# Altium PCB PCB.PcbDoc (continued)
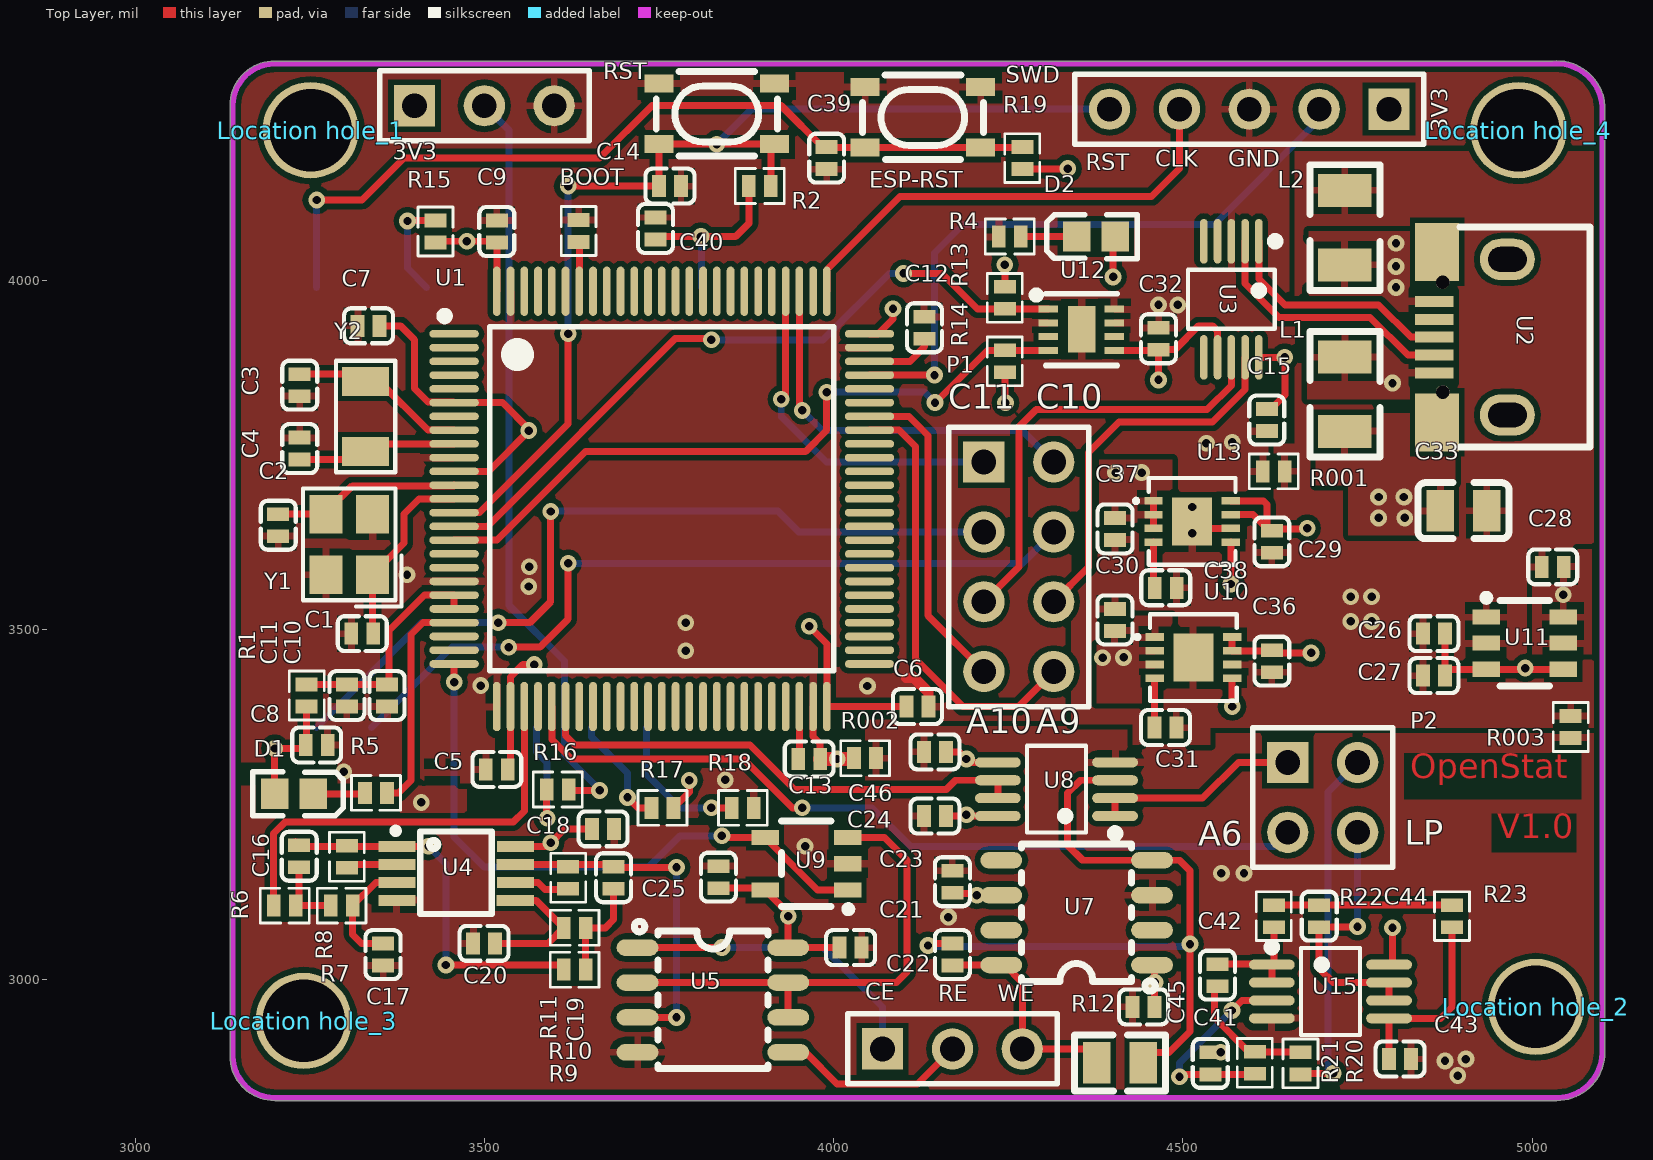
[diagram p0: Top Layer view]
## Footprints (in the part's own frame and the unit in brackets; to place one, negate y for a bottom-side part, rotate by r counter-clockwise, add the part's x,y. Pads: shape width x height; smd on the part's side, far side on the other; paste and mask are expansions set on the pad) (continued)
  silkscreen extent 2.79,-10.02 15.84,4.28, body extent 1.59,-9.97 17.59,6.03, height 1.5
MSOP-10_L3.0-W3.0-P0.50-LS5.0-BL [mm]
  oval 1.62x0.28 smd: 1(-2.292,0.365) 2(-2.292,-0.135) 3(-2.292,-0.635) 4(-2.292,-1.135) 5(-2.292,-1.635) 6(1.928,-1.635) 7(1.928,-1.135) 8(1.928,-0.635) 9(1.928,-0.135) 10(1.928,0.365)
  silkscreen extent -2.44,-2.21 0.89,1.11, body extent -2.77,-2.14 2.26,0.87, height 1.05
RES_0402 [mm]
  rect 0.5x0.8 smd: 1(-0.4,0) 2(0.4,0)
  silkscreen extent -0.89,-0.64 0.89,0.64, body extent -0.73,-0.25 0.73,0.25, height 0.51
RES_0805 [mm]
  rect 1x1.5 smd: 1(-0.85,0) 2(0.85,0)
  silkscreen extent -1.65,-1.02 1.65,1.02, body extent -1.4,-0.62 1.4,0.62, height 0.8
RES_1206 [mm]
  rect 1.2x1.95 smd: 1(-1.35,0) 2(1.35,0)
  silkscreen extent -2.29,-1.27 2.29,1.27, body extent -2.27,-0.8 2.27,0.8, height 1.25
"SMD 3215-2P 32.768K" [mm]
  rect 1.05x1.7 smd: 1(1.211,-0.369) 2(3.761,-0.369)
  silkscreen extent 0.46,-1.45 4.51,0.71, body extent 0.89,-1.12 4.09,0.38, height 0.9
"SMD 3225" [mm]
  rect 1.4x1.2 smd: 1(2.63,-1.153) 2(4.83,-1.153) 3(4.83,0.547) 4(2.63,0.547)
  silkscreen extent 1.47,-2.21 5.76,1.38, body extent 2.13,-1.55 5.33,0.95, height 0.81
SOIC-8 [mil]
  oval 23.62x59.76 smd: 1(70.5,-130.12) 2(120.5,-130.12) 3(170.5,-130.12) 4(220.5,-130.12) 5(220.5,85.63) 6(170.5,85.63) 7(120.5,85.63) 8(70.5,85.63)
  silkscreen extent 33,-135 244,56, body extent 49,-138 241,98, height 67
SOT-23-5 [mm]
  rect 1x0.55 smd: 1(2.532,1.23) 2(2.532,0.28) 3(2.532,-0.67) 4(5.532,-0.67) 5(5.532,1.23)
  silkscreen extent 2.38,-1.27 4.93,2.06, body extent 2.81,-1.22 5.31,1.78, height 1.08
SOT-23-6 [mm]
  rect 1x0.55 smd: 1(1.526,1.077) 2(1.526,0.127) 3(1.526,-0.823) 4(4.326,-0.823) 5(4.326,0.127) 6(4.326,1.077)
  silkscreen extent 1.4,-1.42 3.83,1.9, body extent 1.52,-1.32 4.32,1.58, height 1.45
uMAX-8 [mm]
  rect 1.349x0.4 smd: 1(1.08,1.229) 2(1.078,0.578) 3(1.079,-0.071) 4(1.078,-0.722) 5(5.379,-0.722) 6(5.382,-0.071) 7(5.379,0.578) 8(5.382,1.23)
  silkscreen extent 0.93,-1.22 4.53,1.9, body extent 0.55,-1.22 5.55,1.78, height 0.95
USB [mm]
  rect 0.4x1.4 smd: 1(4.755,2.475) 2(5.405,2.475) 3(6.055,2.475) 4(6.705,2.475) 5(7.355,2.475)
  rect 2.1x1.6 smd: 6(9.155,2.375) 7(2.955,2.375)
  oval 1.5x1.999 hole 0.9 slot 1.4 at 90 deg: 8(3.225,-0.175) 9(8.885,-0.175)
  round 0.5 hole 0.5 unplated: ""(4.055,2.175) ""(8.055,2.175)
  silkscreen extent 2.05,-3.17 10.05,1.54, body extent 1.77,-2.85 10.42,3.05, height 2.87
"VSSOP-8 - 2350" [mil]
  oval 65.43x14.33 smd: 1(54.22,29.12) 2(54.22,3.53) 3(54.22,-22.07) 4(54.22,-47.66) 5(222.02,-47.66) 6(222.02,-22.07) 7(222.02,3.53) 8(222.02,29.12)
  silkscreen extent 48,-71 180,60, body extent 42,-69 238,49, height 43

## Part data
3V3: "Header, 3-Pin", LatestRevisionDate=17-Jul-2002, LatestRevisionNote="Re-released for DXP Platform.", Publisher="Altium Limited"
BOOT R13 R14: library part Res2, "Resistor", LatestRevisionDate=17-Jul-2002, LatestRevisionNote="Re-released for DXP Platform.", PackageReference=AXIAL-0.4, Published=8-Jun-2000, Publisher="Altium Limited"
  BOOT: PackageDescription="Axial Device, Thru-Hole; 2 Leads; 0.4 in Pin Spacing"
C1 C2 C3 C4 C5 C6 C7 C8 C9 C10 C11 C12 C13 C14 C15 C16 C17 C18 C19 C20 C21 C22 C23 C24 C25 C39 C41 C42 C43 C44 C45 C46: library part 电容
C26 C27 C28 C29 C30 C31 C32 C36 C37 C38: library part Cap
C33: "Capacitor", PackageDescription="Capacitor; 2 Leads", PackageReference=CAPR5-4X5, Published=23-Sep-2002, Publisher="Altium Limited"
C40: library part Cap, "Capacitor", LatestRevisionDate=17-Jul-2002, LatestRevisionNote="Re-released for DXP Platform.", PackageDescription="Radial Cap, Thru-Hole; 2 Leads; 0.3 in Pin Spacing", PackageReference=RAD-0.3, Published=8-Jun-2000, Publisher="Altium Limited"
ESP-RST RST: "Switch", LatestRevisionDate=17-Jul-2002, LatestRevisionNote="Re-released for DXP Platform.", PackageDescription="Switch; 2 Leads", PackageReference=SPST-2, Published=24-Mar-1999, Publisher="Altium Limited"
P1: "Header, 4-Pin, Dual row", LatestRevisionDate=17-Jul-2002, LatestRevisionNote="Re-released for DXP Platform.", Publisher="Altium Limited"
P2: "Header, 2-Pin, Dual row", LatestRevisionDate=17-Jul-2002, LatestRevisionNote="Re-released for DXP Platform.", Publisher="Altium Limited"
R1 R2 R4 R5 R6 R7 R8 R9 R10 R11 R12 R19 R20 R21 R22 R23: library part 电阻
R001 R002 R003: library part Res1, "Resistor"
R15 R16 R17 R18: "Resistor", LatestRevisionDate=17-Jul-2002, LatestRevisionNote="Re-released for DXP Platform.", PackageReference=AXIAL-0.4, Published=8-Jun-2000, Publisher="Altium Limited"
SWD: "Header, 5-Pin", LatestRevisionDate=17-Jul-2002, LatestRevisionNote="Re-released for DXP Platform.", Publisher="Altium Limited"
U2: BOM_Manufacturer="XKB Enterprise", BOM_Manufacturer Part=U254-051T-4BH83-F1S, BOM_Supplier=LCSC, BOM_Supplier Part=C397452, Contributor=LCSC, spicePre=U, spiceSymbolName=U254-051T-4BH83-F1S
U3: library part CH340-E
U10 U13: library part ADM7172
U14: BOM_Manufacturer=Ai-Thinker, BOM_Manufacturer Part=ESP-12F(ESP8266MOD), BOM_Supplier=LCSC, BOM_Supplier Part=C82891, spicePre=U, spiceSymbolName=ESP-12F(ESP8266MOD)
Y1: library part XTAL_3225, "3225贴片无源晶振"
Y2: library part XTAL, "普通晶振", LatestRevisionDate=17-Jul-2002, LatestRevisionNote="Re-released for DXP Platform.", Published=8-Jun-2000, Publisher="Altium Limited"
L1 L2: Code_IEC=1005, Code_JEITA=0402, LatestRevisionDate=29-May-2009, LatestRevisionNote="IPC-7351 Footprint Added.", PackageDescription="Chip Inductor", PackageReference=0402-A, Published=8-Jun-2000, Publisher="Altium Limited"

## Via types
v1: diameter 24, hole 12, Top Layer to Bottom Layer, 102 vias

## Nets (pads, with @x,y where several pads share a name; then routed paths per layer and width w, separated by ;. In a path a pad name is that pad's centre, name@x,y a point inside that pad or via, vN(x,y) a via of type N, cw(c..) or ccw(c..) an arc to the next point about the centre after c; other vN are vias at no path point)
1V2: C28.1 C45.1 C46.1 U7.1 U8.5 U11.5 U11.6 | length 142.9
  Top Layer w10: C46.1 4180,3325 4194.91,3310.09 U8.5 ; U7.1 4459.22,3016.53 C45.1 ; U11.5 U11.5@5045,3481.45
  other v1: 4460,2995.29 4190,3315 5044.25,3550
3V3: C21.2 C23.2 C24.2 C25.2 C26.2 C27.2 C30.1 U5.8 U7.6 U8.8 U9.5 U10.1 U10.2 U10.3 U11.3 U11.4 | length 616
  Top Layer w10: C25.2 3899.49,3130 U9.5 3935,3094.49 U5.8 C21.2 ; C24.2 U8.8 ; C23.2@4170,3122.57 4237.43,3122.57 U7.6 ; C26.2 C27.2 4883.93,3443.3 U11.3 U11.4
  other v1: 3935,3090 4205,3120 4190,3235 4990,3445 4385,3459.9 4415,3460.29
3V3-MCU: 3V3.1 C5.2 C6.2 C7.2 C8.2 C9.2 C15.1 C32.2 C37.1 C40.1 D1.1 D2.1 R1.2 R2.2 R13.2 R14.1 R15.1 R17.2 R19.2 SWD.1 U1.6 U1.11 U1.27 U1.50 U1.75 U1.100 U3.7 U3.10 U12.5 U13.1 U13.2 U13.3 U14.8 | length 2184.3
  Top Layer w10: D1.1 3199.88,3329.88 v1(3200,3330) 3239.25,3330 C8.2 3245.75,3336.5 R1.2 ; C7.2 3380,3935 3400,3915 3400,3845.52 3419.31,3826.21 3455.65,3826.21 U1.6 3525.71,3825.04 3565,3785.75 3505.86,3726.61 U1.11 ; R15.1 3431.75,4056 v1(3475,4056) 3516.09,4056 C9.2 U1.100 ; C5.2@3535.75,3300 3537.52,3301.77 U1.27 3537.52,3432.52 3555,3450 v1(3571.4,3450) ; C40.1 3749.18,4062.68 v1(3810,4062.68) 3859.85,4062.68 3878.5,4081.33 R2.2 ; R17.2 3793.43,3267.68 v1(3793.43,3284.25) ; v1(3965,3505) 3990.28,3479.72 U1.50 C6.2 C6.2@4104.25,3380 ; U1.75 4063.46,3923.46 4085,3945 v1(4085,3959.25) ; R14.1 4245,3825.88 v1(4245.88,3825) ; R13.2 v1(4245,4022.37) ; R19.2 4334.25,4159.25 v1(4335,4160) ; v1(4400,4005) 4400,4059.89 D2.1 ; U12.5 4464.12,3899.87 4465,3898.99 v1(4465,3857.5) ; U13.3 U13.2 U13.1 ; C32.2 4488.21,3900.75 4522.46,3935 4542.33,3935 4549.56,3927.77 U3.7 ; U3.10 v1(4645.75,3889.86) 4645.75,3835.75 4625.75,3815.75 C15.1
  Bottom Layer w10: v1(3810,4062.68) 3811.18,4061.5 U14.8
  other v1: 4403.55,3724.86 4440.75,3724.86 3563.43,3785
8266RX: P1.4 U14.15 | length 1139.1
  Top Layer w10: v1(3535,3475) 3580,3475 3620,3515 v1(3620,3595)
  Bottom Layer w10: U14.15 3453.73,3475 v1(3535,3475) ; v1(3620,3595) 4270,3595 P1.4
8266TX: P1.3 U14.16 | length 1171.2
  Top Layer w10: v1(3520,3510) 3565,3510 3595,3540 v1(3595,3669.24)
  Bottom Layer w10: U14.16 3410,3510 v1(3520,3510) ; v1@3595,3670 3920,3670 3950,3640 P1.3
AGND: C17.1 C18.1 C20.1 C21.1 C23.1 C24.1 C25.1 C41.1 C43.1 C45.2 C46.2 R002.2 R003.1 U4.4 U5.4 U7.3 U8.4 U9.2 U15.4 | length 12.6
  Top Layer w15: C41.1 C41.1@4551.7,2895
  other v1: 4893.16,2861.76 4875,2882.73 4905,2885.39 4554.16,2895.07 4164.3,3088.66 4555,3151.34 4587.41,3151.34 3959.13,3190 3409.63,3252.8
AVCC_5V: C18.2 C29.1 C33.1 C36.1 L1.2 U4.8 U10.5 U10.7 U10.8 U13.5 U13.7 U13.8 U15.8 | length 616.6
  Top Layer w10: U4.8 3589.54,3189.54 v1(3595,3195) 3615,3215 C18.2 ; v1(4568.57,3565.41) U13.5 ; U13.7 4600,3664.73 C29.1@4620,3644.73 ; U13.8 4615,3684.42 4620,3679.42 C29.1@4620,3644.73 ; v1(4570.41,3390) U10.5 ; U10.8 U10.7 4623.38,3469.84 4626.45,3466.77 v1(4683.42,3466.77) ; v1(4677.75,3645.05) 4676.63,3643.93 4620,3643.93 C29.1@4620,3644.73 ; U15.8 4800,3025.51 v1(4800,3073.32)
  other v1: 4780,3660 4817.48,3660 4780,3690 4816.26,3690
BOOT0: BOOT.1 U1.94 | length 70.9
  Top Layer w10: BOOT.1 3635.95,4054.05 U1.94
DAC_OUT: C19.2 R11.2 U4.7 U5.3 | length 503.1
  Top Layer w10: U4.7 3680.97,3163.88 3685,3159.85 v1@3775,3159.85 ; U5.3 v1(3775,2945)
  Bottom Layer w10: v1(3775,2945) v1(3775,3160)
DGND: 3V3.3 BOOT.2 C1.1 C2.1 C3.1 C4.1 C5.1 C6.1 C7.1 C8.1 C9.1 C10.1 C11.1 C12.1 C13.1 C14.2 C15.2 C32.1 C39.2 C40.2 ESP-RST.2 R001.1 R002.1 R4.2 R18.2 RST.2 SWD.3 U1.10 U1.19 U1.26 U1.49 U1.74 U1.99 U3.3 U12.2 U12.7 U12.8 U12.9 U14.9 Y1.2 Y1.4 | length 189
  Top Layer w10: U1.49 3970.6,3347.36 3980.75,3337.21 C13.1
  Top Layer w15: 4103.75,3431.02 4114.99,3431.02 4135.75,3410.26 C6.1
  Top Layer w20: C13.1 4028.24,3315 R002.1
  other v1: 3845,3285 3298.66,3296.75 4005,3315 4048.31,3419.41 3495,3420 3788.25,3470 3788.25,3510 3563.43,3561.84 3389.37,3578.81 3564.27,3590 4533.52,3766.76 4570.68,3768.25 4465,3965 4492.58,3964.92
G: L2.1 U2.5
  other v1: 4805,3989.98 4805,4020 4805,4053
GND: C26.1 C27.1 C28.2 C29.2 C30.2 C31.2 C33.2 C36.2 C37.2 C38.2 L2.2 R001.2 R003.2 U10.0 U10.6 U11.1 U11.2 U13.0 U13.6 | length 59.5
  Top Layer w10: U13.0 4523,3645.05 U13.6
  other v1: 4740,3511.88 4770,3511.88 4740,3547.27 4770,3547.27 4513.16,3637.94 4513.16,3675.7
IO0: 3V3.2 R16.2 | length 1094.7
  Top Layer w10: R16.2@3620.75,3275 3625.75,3270 v1(3665,3270)
  Bottom Layer w10: 3V3.2 3535,4215 3535,3535 3615,3455 3615,3321.23 3665,3271.23 v1(3665,3270)
LP_OUT: C44.1 P2.4 U15.6 U15.7 | length 383.4
  Top Layer w10: v1(4749.84,3075) 4749.09,3074.25 C44.1 4695,3015 4715.08,2994.92 U15.7 U15.6
  Bottom Layer w10: v1(4749.84,3075) 4750,3075.16 P2.4
NetC16_1: C16.1 R6.2 R7.1 | length 107.1
  Top Layer w10: C16.1 3235,3110 R6.2 R7.1
NetC16_2: C16.2 R8.2 R9.1 U4.1 | length 543.5
  Top Layer w10: C16.2@3230,3196.5 C16.2 ; C16.2@3237.12,3193.62 3241.24,3189.51 U4.1 3419.51,3189.51 v1(3420,3190) ; v1(3445,3020) 3606.82,3020 R9.1
  Bottom Layer w10: v1(3420,3190) 3445,3165 v1(3445,3020)
NetC17_2: C17.2 R7.2 U4.3 | length 176.2
  Top Layer w10: C17.2@3363.76,3051.07 3323.93,3051.07 3311.5,3063.5 R7.2 3344.82,3138.32 U4.3
NetC19_1: C19.1 R9.2 R10.1 | length 148.2
  Top Layer w10: R9.2 R10.1 3673.32,3073.32 3685,3085 C19.1@3685,3128.35
NetC20_2: C20.2 R10.2 U4.5 | length 192.9
  Top Layer w10: C20.2 3591.25,3051.07 R10.2 3574.13,3112.69 U4.5
NetC22_1: C22.1 R12.2 U7.4 U8.3 | length 1059.6
  Top Layer w10: v1(4135,3048) 4137.75,3050.75 C22.1 ; U8.3 4353.04,3284.5 4335,3266.46 4335,3191.5 4356.5,3170 U7.4 4495,3170 4510,3155 v1(4510,3050) 4510,2925 4480,2895 R12.2@4443.47,2895
  Bottom Layer w10: v1(4135,3048) 4136.5,3046.5 v1@4508.5,3046.5
NetC31_1: C31.1 U10.4 | length 70.6
  Top Layer w10: C31.1 4459.59,3360.34 U10.4
NetC38_1: C38.1 U13.4 | length 66.1
  Top Layer w10: U13.4 4457.75,3561.84 C38.1
NetC41_2: C41.2 R21.2 U15.3 | length 298.8
  Top Layer w10: v1(4495,2860) 4498.5,2863.5 C41.2 4602.12,2863.5 R21.2 ; v1(4570,2955) 4584.33,2969.33 U15.3
  Bottom Layer w10: v1(4495,2860) 4495,2880 v1(4570,2955)
NetC42_1: C42.1 R22.1 U15.1 U15.2 | length 158.3
  Top Layer w10: C42.1 U15.1@4626.45,3021.26 ; U15.2 U15.1 U15.1@4626.45,3021.26 ; R22.1 4630,3024.81 U15.1@4626.45,3021.26
NetC42_2: C42.2 R20.2 R21.1 | length 191.2
  Top Layer w10: C42.2 4545,2985.51 4545,2944.64 4592.99,2896.66 4602.87,2896.66 R21.1 4667.47,2895.75 R20.2
NetC43_2: C43.2 R23.2 U15.5 | length 269.2
  Top Layer w10: C43.2 U15.5 4868.74,2943.74 4885,2960 R23.2
NetC44_2: C44.2 R22.2 R23.1 | length 256.1
  Top Layer w10: R22.2 C44.2 R23.1 R23.1@4884.25,3105
NetD1_2: D1.2 R5.1 | length 74.7
  Top Layer w10: D1.2 3327.61,3265 R5.1
NetD2_2: D2.2 R4.1 | length 79.9
  Top Layer w10: R4.1 D2.2
NetP2_1: P2.1 U8.1 U8.2 | length 294
  Top Layer w10: U8.1 U8.2 4528.16,3258.91 4579.25,3310 P2.1
NetP2_2: P2.2 R20.1 | length 513.1
  Top Layer w10: R20.1 4669.72,2865 v1(4715,2865)
  Bottom Layer w10: v1(4715,2865) 4707.47,2872.53 4707.47,3267.47 P2.2
NetR8_1: R8.1 U4.2 | length 70.1
  Top Layer w10: R8.1@3305,3164.25 3305.35,3163.9 U4.2
NetR11_1: R11.1 U4.6 | length 79.8
  Top Layer w10: U4.6 3576.65,3138.35 3586.65,3128.35 R11.1@3620,3128.35
NetR15_2: R15.2 U14.3 | length 146.7
  Top Layer w10: v1(3390,4085) 3390.75,4085.75 R15.2
  Bottom Layer w10: v1(3390,4085) 3390,4017.49 U14.3
NetR16_1: R16.1 U14.12 | length 177.8
  Top Layer w10: R16.1 3589.25,3230.75 v1(3590,3230)
  Bottom Layer w10: U14.12 3574.96,3324.96 3590,3309.92 v1(3590,3230)
NetR17_1: R17.1 U14.11 | length 161.7
  Top Layer w10: v1(3705,3260) 3720,3245 R17.1
  Bottom Layer w10: U14.11 3653.7,3346.22 3705,3294.92 v1(3705,3260)
NetR18_1: R18.1 U14.10 | length 209
  Top Layer w10: v1(3825,3245) R18.1
  Bottom Layer w10: U14.10 3732.44,3292.56 3780,3245 v1(3825,3245)
NetU5_1: CE.1 U5.1 | length 446
  Top Layer w10: U5.1 v1(3840,3045)
  Bottom Layer w10: v1(3840,3045) 3985,3045 4070,2960 CE.1
NetU5_2: U5.2 U5.6 U5.7 U9.3 | length 700.4
  Top Layer w10: U5.2 U5.7 ; U5.6 U5.7 ; U9.3 4072.6,3202.4 4105,3170 4105,3010 4090,2995 U5.7
NRST: C14.1 R2.1 RST.1 SWD.5 U1.14 | length 1556.9
  Top Layer w10: U1.14 3493.15,3667.55 3620,3794.4 v1(3620,3923.46) ; v1(3620,4135) C14.1 3750,4195 v1(3832.68,4195) 3915.36,4195 3910,4189.64 R2.1
  Bottom Layer w10: v1(3620,3923.46) v1(3620,4135) ; v1(3832.68,4195) 3882.68,4245 SWD.5
OSC_IN_H: C2.2 U1.12 Y1.3 | length 271.1
  Top Layer w10: C2.2 3272.96,3665.31 Y1.3 3273.07,3668.06 3310.99,3705.98 3456.82,3705.98 U1.12
OSC_IN_L: C3.2 U1.8 Y2.2 | length 254.2
  Top Layer w10: C3.2 3319.64,3865.75 Y2.2 3349.55,3855.39 3419.27,3785.67 U1.8
OSC_OUT_H: C1.2 U1.13 Y1.1 | length 271.1
  Top Layer w10: C1.2 3340,3495.35 Y1.1 3385,3623.81 3385,3665.75 3406.49,3687.24 U1.13
OSC_OUT_L: C4.2 U1.9 Y2.1 | length 230.4
  Top Layer w10: C4.2 3318.5,3743.5 Y2.1 3340.98,3765.98 U1.9
PA0: R5.2 U1.22 | length 319.4
  Top Layer w10: R5.2 3377.21,3266.46 3395,3284.25 3395,3492.95 3412.12,3510.07 U1.22
PA3: U1.25 U9.1 U9.4 | length 879.6
  Top Layer w10: v1(3456.82,3425) U1.25 ; v1(3840,3205) 3842.6,3202.4 U9.4 3976.69,3127.6 U9.1
  Bottom Layer w10: v1(3456.82,3425) 3456.82,3203.18 3500,3160 3735,3160 3780,3205 v1(3840,3205)
PA4: R6.1 U1.28 | length 624.8
  Top Layer w10: R6.1 3198.5,3208.5 3215,3225 3541.43,3225 3557.21,3240.78 U1.28
PA6: P2.3 U1.30 | length 1172.1
  Top Layer w10: U1.30 3596.58,3342.96 3624.54,3315 3871.23,3315 3941.23,3245 v1(3955,3245)
  Bottom Layer w10: v1(3955,3245) 4055,3245 4110,3190 4630,3190 P2.3
PA7: U1.31 U8.6 U8.7 | length 723.2
  Top Layer w10: U1.31 3616.26,3348.74 3630,3335 3880,3335 3943.77,3271.23 4161.23,3271.23 4174.5,3284.5 U8.6 U8.7
PA9: P1.8 U1.68 | length 626.5
  Top Layer w10: U1.68 4093.58,3785.67 4117,3762.25 4117,3458 4185,3390 4265,3390 P1.8
PA10: P1.7 U1.69 | length 466.2
  Top Layer w10: U1.69 4107.64,3805.35 4135,3777.99 4135,3520 P1.7
PC0: R13.1 U1.15 U12.1 | length 1022.2
  Top Layer w10: U1.15 3504.37,3647.87 3773,3916.5 v1@3830,3916.5 ; v1@4105,4010 4155,4010 4205.75,3959.25 R13.1 4306.94,3959.25 U12.1
  Bottom Layer w10: v1(3825,3915) 3985,3915 4080,4010 v1(4100,4010)
PC1: R14.2 U1.16 U12.4 | length 1007.9
  Top Layer w10: U1.16 3517.83,3628.18 3644.65,3755 3960,3755 3990,3785 v1(3990,3840) ; v1(4145,3825.04) 4145.63,3825.04 4220.43,3899.84 R14.2 ; R14.2@4245,3900.75 4245.88,3899.87 U12.4
  Bottom Layer w10: v1(3990,3840) 4130.04,3840 v1(4145,3825.04)
PC10: P1.2 U1.78 | length 562.9
  Top Layer w10: U1.78 3950.91,3818.03 v1(3955,3813.93)
  Bottom Layer w10: v1(3955,3813.93) 3983.93,3785 4270,3785 P1.2
PC11: P1.1 U1.79 | length 499
  Top Layer w10: v1(3925,3830) 3931.23,3836.23 U1.79
  Bottom Layer w10: v1(3925,3830) 3925,3805 3990,3740 P1.1
RE: CE.2 U5.5 | length 274.4
  Top Layer w10: U5.5 3960,2895 4005,2850 4120,2850 CE.2
RST-8266: C39.1 ESP-RST.1 R19.1 U14.1 | length 1220.8
  Top Layer w10: v1(3260,4115) 3325,4115 3385,4175 3665,4175 3740,4250 3925,4250 3985,4190 4045,4190 4210.36,4190 R19.1@4275,4190
  Bottom Layer w10: U14.1 v1(3260,4115)
RX: P1.6 U3.9 | length 541.7
  Top Layer w10: P1.6 4365,3590 4365,3753.74 4408.26,3797 4542.02,3797 4588.94,3843.91 U3.9
SWDCLK: SWD.4 U1.76 | length 680.5
  Top Layer w10: U1.76 3990.28,4015.28 4095,4120 4455,4120 4495,4160 SWD.4
SWDIO: SWD.2 U1.72 | length 912.6
  Top Layer w10: U1.72 v1(4144.41,3864.41)
  Bottom Layer w10: v1(4144.41,3864.41) 4144.41,4039.41 4185,4080 4545,4080 4695,4230 SWD.2
TX: P1.5 U3.8 | length 639.9
  Top Layer w10: P1.5 4265,3590 4265,3790 4290,3815 4534.57,3815 4569.25,3849.68 U3.8
UD+: U2.3 U3.1 | length 339.8
  Top Layer w10: U3.1 4608.62,4002.13 4645.75,3965 4780,3965 4826.26,3918.74 U2.3
UD-: U2.2 U3.2 | length 373.9
  Top Layer w10: U3.2 4588.94,3995.55 4637.48,3947 4768,3947 4821.85,3893.15 U2.2
VCAP_1: C13.2 U1.48 | length 75.7
  Top Layer w10: C13.2 3950.91,3316.66 U1.48
VCAP_2: C12.2 U1.73 | length 98.8
  Top Layer w10: U1.73 4109.05,3884.09 4130,3905.04 C12.2
VDDA: C10.2 C11.2 R1.1 U1.20 U1.21 | length 329
  Top Layer w10: R1.1 C11.2 C10.2 3363.82,3421.5 3363.82,3498.82 3414.44,3549.44 U1.20 U1.21
VIN: L1.1 U2.1
  other v1: 4800,3853
WE: C22.2 CE.3 R12.1 U7.8 | length 323.5
  Top Layer w10: C22.2@4160.75,3019.25 4161.5,3020 U7.8 4245,3020 4270,2995 CE.3 4371.54,2900 R12.1@4376.54,2895
pads on no net: "Location hole_1.7" "Location hole_2.7" "Location hole_3.7" "Location hole_4.7" U1.1 U1.2 U1.3 U1.4 U1.5 U1.7 U1.17 U1.18 U1.23 U1.24 U1.29 U1.32 U1.33 U1.34 U1.35 U1.36 U1.37 U1.38 U1.39 U1.40 U1.41 U1.42 U1.43 U1.44 U1.45 U1.46 U1.47 U1.51 U1.52 U1.53 U1.54 U1.55 U1.56 U1.57 U1.58 U1.59 U1.60 U1.61 U1.62 U1.63 U1.64 U1.65 U1.66 U1.67 U1.70 U1.71 U1.77 U1.80 U1.81 U1.82 U1.83 U1.84 U1.85 U1.86 U1.87 U1.88 U1.89 U1.90 U1.91 U1.92 U1.93 U1.95 U1.96 U1.97 U1.98 U2. U2.4 U2.6 U2.7 U2.8 U2.9 U3.4 U3.5 U3.6 U7.2 U7.5 U7.7 U12.3 U12.6 U14.2 U14.4 U14.5 U14.6 U14.7 U14.13 U14.14 U14.17 U14.18 U14.19 U14.20 U14.21 U14.22

## Polygon pours and split planes (outlines as drawn)
AGND on Top Layer "Top Layer-AGND" (solid, pour order 44): 5087.76,3360 4539.09,3360 4539.09,3335 4538.52,3335.57 4428.29,3335.57 4428.29,3365 4422.13,3371.16 4045,3371.16 4045,3220 3710,3220 3710,3240.78 3475,3240.78 3475,3276.45 3143.55,3276.45 3140,3280 3135,3275 3135,2840 5090,2840
DGND on Top Layer "Top Layer-DGND" (solid, pour order 38): 4630,3664.73 4630,3765.98 4654.02,3765.98 4655,3765 4660.17,3770.17 4660.17,4184.83 4660,4185 5087.76,4185 5087.76,4305 3155,4305 3145,4295 3145,3310.09 3289.91,3310.09 3290,3310 3290,3280 3515.32,3280 3515,3280.32 3515,3340 3777.04,3340 3780,3342.96 3781.5,3341.46 3781.5,3230.75 3994.25,3230.75 3995,3230 3995,3369.61 4335.39,3369.61 4340,3365 4340,3669.24
GND on Top Layer "Top Layer-GND" (solid, pour order 34): 5100,4185 4660,4185 4660,3765.98 4630,3765.98 4630,3664.73 4568.57,3664.73 4568.57,3715 4470,3715 4465,3710 4340,3710 4340,3365 4428.29,3365 4428.29,3335.57 4427.72,3335 4539.09,3335 4539.09,3360 5110.38,3360
3V3 on Top Layer "Top Layer-3V3" (solid, pour order 28): 4550,3505.04
3V3 on Top Layer "Top Layer-3V3 1" (solid, pour order 22): 4376.54,3515 4430,3515 4428.54,3516.46 4428.54,3520 4481.9,3520 4485,3523.1 4485,3440 4440,3440 4440.75,3439.25 4440.75,3395 4376.54,3395
3V3-MCU on Top Layer "Top Layer-3V3-MCU" (solid, pour order 18): 4380,3743.5 4380,3647.87 4430,3647.87 4430,3633.81 4485,3633.81 4485,3743.5
3V3-MCU on Top Layer "Top Layer-3V3-MCU 1" (solid, pour order 16): 4380,3700
AVCC_5V on Top Layer "Top Layer-AVCC_5V" (solid, pour order 12): 4690,3810 4690,3706.92 4736.81,3706.92 4736.81,3635 4890,3635 4890,3810
1V2 on Top Layer "Top Layer-1V2" (solid, pour order 8): 5000,3615 5000,3465 5085,3465 5085,3615
G on Top Layer "Top Layer-G" (solid, pour order 4): 4680,4070 4900,4070 4900,3958.93 4896.07,3955 4677.75,3955
VIN on Top Layer "Top Layer-VIN" (solid, pour order 0): 4677.75,3930 4677.75,3830 4900,3830 4900,3885 4810.91,3885 4810,3884.09 4810,3932.25
DGND on Bottom Layer "Bottom Layer-DGND" (solid, pour order 56): 5087.76,4195 4660,4195 4655,4190 4660,4185 4660,3765 4630,3765 4630,3665 4565,3665 4565,3714.48 4492.64,3714.48 4488.16,3710 4488.16,3750 4341.76,3750 4340,3748.24 4340,3375 4048.84,3375 4045,3371.16 4045,3220 3710,3220 3710,3240 3470.26,3240 3470.07,3239.82 3470,3239.89 3470,3280 3156.03,3280 3155.8,3279.76 3150,3285.56 3150,4300 5087.76,4300
AGND on Bottom Layer "Bottom Layer-AGND" (solid, pour order 46): 3140,3280 3140,2840 5090,2840 5087.76,2842.24 5087.76,3360.08 4540,3360.08 4540,3335 4430,3335 4430,3371.16 4045,3371.16 4045,3220 3710,3220 3710,3240 3475,3240 3475,3275
GND on Bottom Layer "Bottom Layer-GND" (solid, pour order 36): 5100,4185 4660,4185 4660,3765 4630,3765 4630,3665 4565,3665 4565,3714.48 4560.52,3710 4340,3710 4340,3365 4430,3365 4430,3335 4540,3335 4540,3360.08 5110.38,3360.08
3V3 on Bottom Layer "Bottom Layer-3V3" (solid, pour order 24): 4375,3515 4430,3515 4430,3520 4485,3520 4485,3440 4440,3440 4440,3395 4375,3395
3V3-MCU on Bottom Layer "Bottom Layer-3V3-MCU" (solid, pour order 20): 4380,3745 4380,3650 4440,3650 4440,3636 4480,3636 4480,3745
AVCC_5V on Bottom Layer "Bottom Layer-AVCC_5V" (solid, pour order 14): 4690,3810 4690,3705 4735,3705 4735,3635.71 4890,3635.71 4889.71,3636 4889.71,3810
1V2 on Bottom Layer "Bottom Layer-1V2" (solid, pour order 10): 5000,3615 5085,3615 5085,3465 5000,3465
G on Bottom Layer "Bottom Layer-G" (solid, pour order 6): 4680,4070 4680,3955 4890,3955 4890,4070
VIN on Bottom Layer "Bottom Layer-VIN" (solid, pour order 2): 4680,3930 4680,3830 4895,3830 4895,3930
DGND on Signal Layer 1 "Signal Layer 1-DGND" (solid, pour order 54): 3150,4315 5075,4315 5095,4295 5095,4185 4664.8,4185 4654.8,4195 4654.8,3765 4630,3765 4630,3698.93 4626.07,3695 4491.16,3695 4491.16,3741.04 4487.2,3745 4482.2,3740 4340,3740 4340,3378.16 4331.84,3370 4046.53,3370 4046.53,3221.53 4045,3220 3710,3220 3710,3240 3475,3240 3475,3275 3150,3275
GND on Signal Layer 1 "Signal Layer 1-GND" (solid, pour order 52): 5095,4185 4659.8,4185 4659.8,3770 4654.8,3765 4630,3765 4630,3701.07 4631.07,3700 4626.07,3695 4491.16,3695 4491.16,3741.04 4487.2,3745 4482.2,3740 4340,3740 4340,3375 4430,3375 4430,3336.76 4540,3336.76 4540,3360 5087.31,3360
AGND on Signal Layer 1 "Signal Layer 1-AGND" (solid, pour order 50): 5085,3350 5080,3355 4550,3355 4550,3335 4545,3330 4425,3330 4425,3360 4415,3370 4040,3370 4045,3365 4045,3220 3710,3220 3710,3240 3475,3240 3475,3275 3150,3275 3150,2845 3160,2845 3185,2820 5050,2820 5110,2880
AGND on Signal Layer 1 "Signal Layer 1-AGND 1" (solid, pour order 48): 5085,3350
1V2 on Internal Plane 1 (split plane): 5083.92,3485.1 4885,3485.1 4883.05,3484.71 4881.4,3483.6 4880.29,3481.95 4879.9,3480 4879.9,2970.1 4425.1,2970.1 4425.1,3040 4424.71,3041.95 4423.6,3043.6 4421.95,3044.71 4420,3045.1 4350.1,3045.1 4350.1,3265.59 4349.71,3267.54 4348.6,3269.19 4346.95,3270.3 4345,3270.69 4120.1,3270.69 4120.1,3354.9 4444.9,3354.9 4444.9,3135 4445.29,3133.05 4446.4,3131.4 4448.05,3130.29 4450,3129.9 4689.9,3129.9 4689.9,3025 4690.29,3023.05 4691.4,3021.4 4693.05,3020.29 4695,3019.9 4840,3019.9 4841.95,3020.29 4843.6,3021.4 4844.71,3023.05 4845.1,3025 4845.1,3609.9 4915,3609.9 4916.95,3610.29 4918.6,3611.4 4919.71,3613.05 4920.1,3615 4920.1,3699.9 5083.92,3699.9
AVCC_5V on Internal Plane 1 (split plane): 5083.92,3710.1 4915,3710.1 4913.05,3709.71 4911.4,3708.6 4910.29,3706.95 4909.9,3705 4909.9,3620.1 4840,3620.1 4838.05,3619.71 4836.4,3618.6 4835.29,3616.95 4834.9,3615 4834.9,3030.1 4700.1,3030.1 4700.1,3135 4699.71,3136.95 4698.6,3138.6 4696.95,3139.71 4695,3140.1 4455.1,3140.1 4455.1,3360 4454.71,3361.95 4453.6,3363.6 4451.95,3364.71 4450,3365.1 4115,3365.1 4113.05,3364.71 4111.4,3363.6 4110.29,3361.95 4109.9,3360 4109.9,2985.1 3935,2985.1 3933.05,2984.71 3931.4,2983.6 3930.29,2981.95 3929.9,2980 3929.9,2945 3929.9,2894.59 3565.1,2894.59 3565.1,2965 3565.1,3229.9 3634.9,3229.9 3634.9,3045 3635.29,3043.05 3636.4,3041.4 3638.05,3040.29 3640,3039.9 4060,3039.9 4061.95,3040.29 4063.6,3041.4 4064.71,3043.05 4065.1,3045 4065.1,3414.9 4475,3414.9 4476.95,3415.29 4478.6,3416.4 4479.71,3418.05 4480.1,3420 4480.1,3565 4480.1,3824.9 5083.92,3824.9
3V3-MCU on Internal Plane 1 (split plane): 5038.77,4293.97 5040.51,4293.88 5045.94,4292.95 5051.24,4291.42 5056.34,4289.31 5061.17,4286.65 5065.67,4283.45 5069.78,4279.78 5073.45,4275.67 5076.65,4271.17 5079.31,4266.34 5081.42,4261.24 5082.95,4255.94 5083.88,4250.51 5083.9,4250 5082.59,4250 5083.13,4248.7 5083.92,4248.76 5083.92,3835.1 4475,3835.1 4473.05,3834.71 4471.4,3833.6 4470.29,3831.95 4469.9,3830 4469.9,3605.1 4380,3605.1 4378.05,3604.71 4376.4,3603.6 4375.29,3601.95 4374.9,3600 4374.9,3555.1 4035,3555.1 4033.05,3554.71 4031.4,3553.6 4030.29,3551.95 4029.9,3550 4029.9,3470.1 3925,3470.1 3923.05,3469.71 3921.4,3468.6 3920.29,3466.95 3919.9,3465 3919.9,3430 3919.9,3215.1 3755.1,3215.1 3755.1,3367.05 3754.71,3369 3753.6,3370.65 3751.95,3371.76 3750,3372.15 3748.05,3371.76 3575,3371.76 3573.05,3371.37 3571.4,3370.27 3570.29,3368.61 3569.9,3366.66 3569.9,3300.1 3355,3300.1 3353.05,3299.71 3351.4,3298.6 3350.29,3296.95 3349.9,3295 3349.9,3260 3349.9,3210.1 3156.08,3210.1 3156.08,4250 3156.03,4250.55 3156.37,4255.74 3157.49,4261.39 3159.34,4266.84 3161.89,4272 3165.09,4276.79 3168.88,4281.12 3173.21,4284.91 3178,4288.11 3183.16,4290.66 3188.61,4292.51 3194.26,4293.63 3199.45,4293.97 3200,4293.92 5029.85,4293.92 5031.34,4294.06 5031.34,4293.98 5035,4294.18
3V3 on Internal Plane 1 (split plane): 4469.9,3565 4469.9,3425.1 4060,3425.1 4058.05,3424.71 4056.4,3423.6 4055.29,3421.95 4054.9,3420 4054.9,3050.1 3645.1,3050.1 3645.1,3235 3644.71,3236.95 3643.6,3238.6 3641.95,3239.71 3640,3240.1 3560,3240.1 3558.05,3239.71 3556.4,3238.6 3555.29,3236.95 3554.9,3235 3554.9,2965 3554.9,2889.49 3555.29,2887.54 3556.4,2885.89 3558.05,2884.78 3560,2884.4 3934.49,2884.4 3936.44,2884.78 3938.1,2885.89 3938.3,2886.19 3938.6,2886.4 3939.71,2888.05 3940.1,2890 3940.1,2945 3940.1,2974.9 4115,2974.9 4116.95,2975.29 4118.6,2976.4 4119.71,2978.05 4120.1,2980 4120.1,3260.49 4339.9,3260.49 4339.9,3040 4340.29,3038.05 4341.4,3036.4 4343.05,3035.29 4345,3034.9 4414.9,3034.9 4414.9,2965 4415.29,2963.05 4416.4,2961.4 4418.05,2960.29 4420,2959.9 4885,2959.9 4886.95,2960.29 4888.6,2961.4 4889.71,2963.05 4890.1,2965 4890.1,3474.9 5083.92,3474.9 5083.92,2895 5083.97,2894.52 5083.68,2889.51 5082.76,2884.1 5081.24,2878.82 5079.14,2873.74 5076.48,2868.93 5073.3,2864.45 5069.64,2860.36 5065.55,2856.7 5061.07,2853.52 5056.26,2850.86 5051.18,2848.76 5045.9,2847.24 5040.49,2846.32 5035.48,2846.03 5035,2846.08 3200,2846.08 3199.45,2846.03 3194.26,2846.37 3188.61,2847.49 3183.16,2849.34 3178,2851.89 3173.21,2855.09 3168.88,2858.88 3165.09,2863.21 3161.89,2868 3159.34,2873.16 3157.49,2878.61 3156.37,2884.26 3156.03,2889.45 3156.08,2890 3156.08,3199.9 3355,3199.9 3356.95,3200.29 3358.6,3201.4 3359.71,3203.05 3360.1,3205 3360.1,3260 3360.1,3289.9 3575,3289.9 3576.95,3290.29 3578.6,3291.4 3579.71,3293.05 3580.1,3295 3580.1,3361.56 3744.9,3361.56 3744.9,3210 3745.29,3208.05 3746.4,3206.4 3748.05,3205.29 3750,3204.9 3925,3204.9 3926.95,3205.29 3928.6,3206.4 3929.71,3208.05 3930.1,3210 3930.1,3430 3930.1,3459.9 4035,3459.9 4036.95,3460.29 4038.6,3461.4 4039.71,3463.05 4040.1,3465 4040.1,3544.9 4380,3544.9 4381.95,3545.29 4383.6,3546.4 4384.71,3548.05 4385.1,3550 4385.1,3594.9 4469.9,3594.9

## Keep-outs
Keep-Out Layer:
  lines w8: 3375,2830 5035,2830 ; 5030,4310 cw(c5035,4245) 5100,4250 5100,2895 cw(c5035,2895) 5035,2830 ; 5040,4310 3200,4310 ccw(c3200,4250) 3140,4250 3140,2890 ccw(c3200,2890) 3200,2830 5035,2830

## Other copper
Top Layer:
  text "OpenStat" at 4825,3275.75 h60
  text "V1.0" at 4950,3190 h60
Internal Plane 1 (plane layer: these items are gaps in the copper):
  lines w10: 3140,3205 3355,3205 3355,3260 3355,3295 3575,3295 3575,3366.66 3749.61,3366.66 3750,3367.05 3750,3210 3925,3210 3925,3430 3925,3465 4035,3465 4035,3550 4380,3550 4380,3600 4475,3600 ; 3934.49,2889.49 3560,2889.49 3560,2965 3560,3235 3640,3235 3640,3045 4060,3045 4060,3420 4455.1,3420 4475,3420 4475,3565 4475,3830 5105,3830 ; 3935,2890 3935,2945 3935,2980 4115,2980 4115,3360 4150,3360 ; 4115.59,3265.59 4144.41,3265.59 4294.41,3265.59 4345,3265.59 4345,3040 4420,3040 4420,2965 4525,2965 4885,2965 4885,3480 5110,3480 ; 4144.41,3360 4450,3360 4450,3135 4535,3135 4695,3135 4695,3025 4840,3025 4840,3615 4915,3615 4915,3705 5100,3705

## Silkscreen, mask and mechanical layers (free items; w line width, h text height)
Top Overlay:
  text "3V3" at 4886.53,4211.89 h40 r90
  text "CLK" at 4460,4155 h40
  text "GND" at 4565,4155 h40
  text "RST" at 4361.08,4150 h40
  text "C11" at 4164.3,3805 h60
  text "C10" at 4289.94,3805 h60
  text "A10" at 4190,3340 h60
  text "A9" at 4290,3340 h60
  text "LP" at 4817.48,3180.75 h60
  text "A6" at 4522.19,3179.18 h60
  text "RE" at 4150,2960 h40
  text "WE" at 4235,2960 h40
Top Paste:
  text "OpenStat" at 4825,3275.75 h60
  text "V1.0" at 4950,3190 h60
Top Solder:
  text "OpenStat" at 4825,3275.75 h60
  text "V1.0" at 4950,3190.75 h60
Mechanical 1:
  lines w8: 3139.81,2895 ccw(c3205,2895) 3205,2829.81 ; 3139.81,4245 cw(c3205,4245) 3205,4310.19 ; 3140,2895 3140,3325 3140,4250 ; 3200,4310 5035,4310 ; 3205,2830 5035,2830 ; 5035,2829.81 ccw(c5035,2895) 5100.19,2895 ; 5035,4310.19 cw(c5035,4245) 5100.19,4245 ; 5100,2895 5100,4245

## Text inside footprints (layer, text, board x,y; h text height)
U14: Bottom Overlay "ESP12F" at 3554.64,3799.38 h80 r90